# Altium PCB Dashcam.PcbDoc (part 4 of 6) (continued)
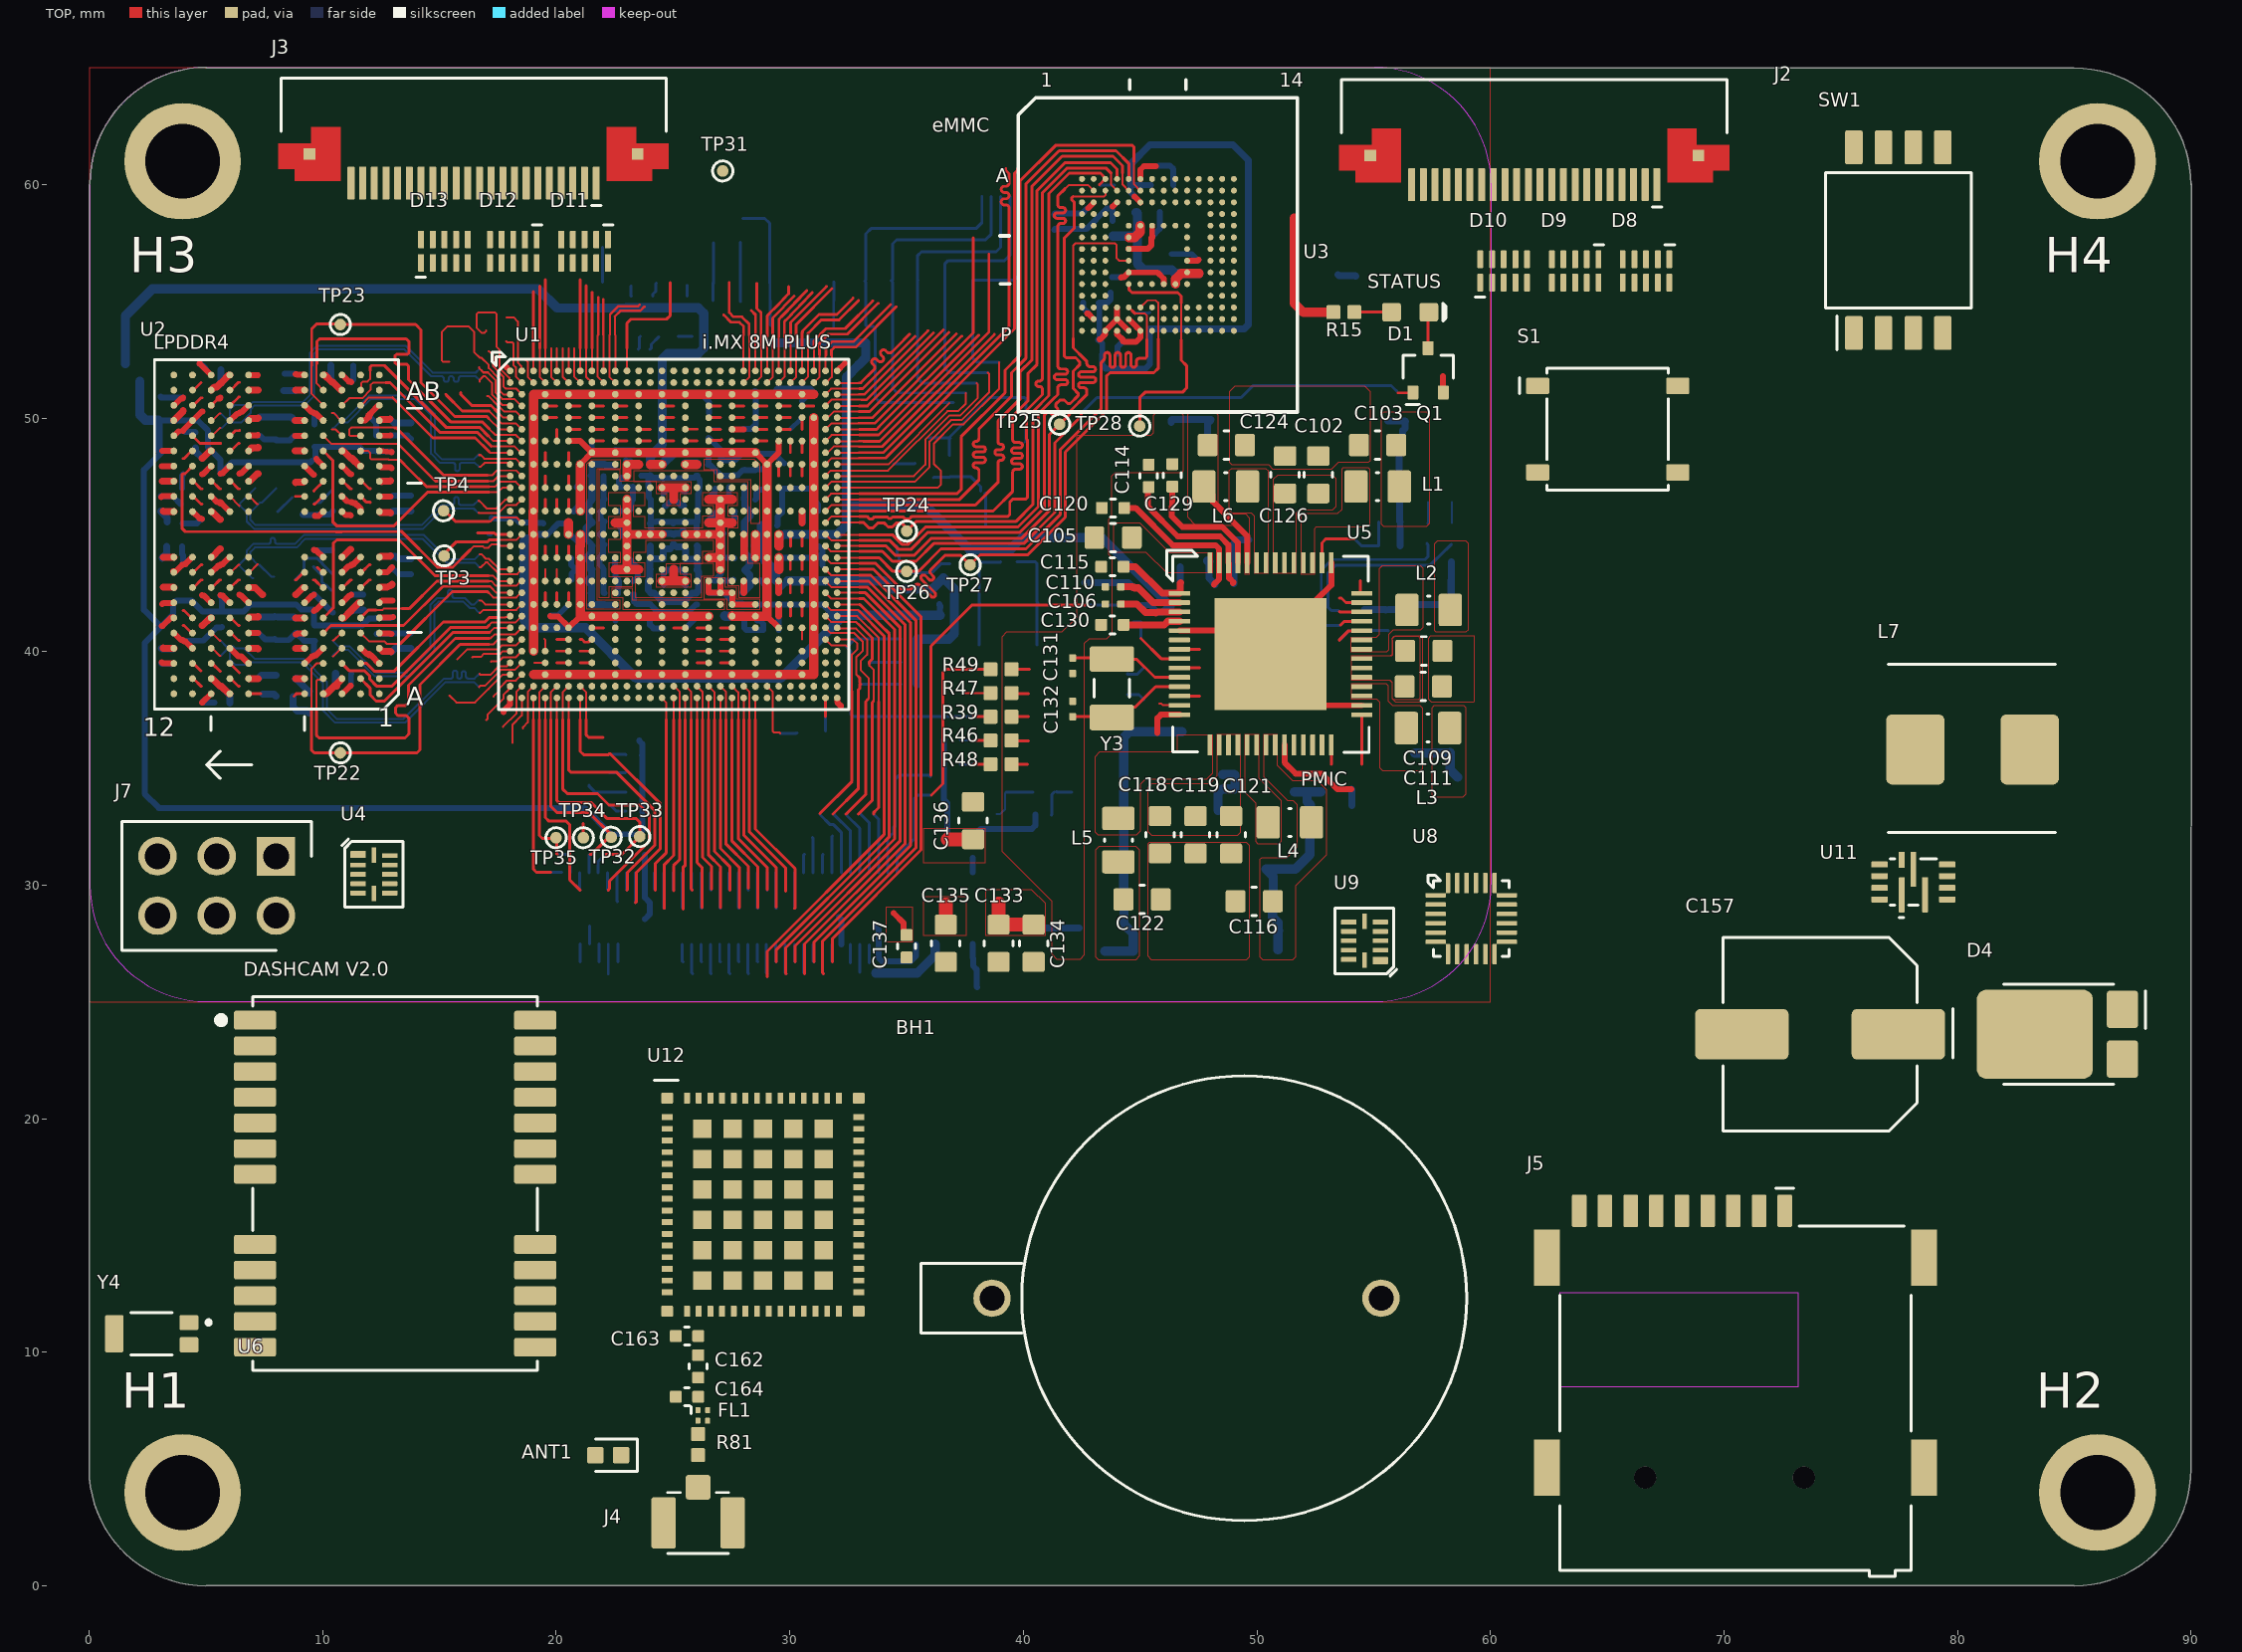
[diagram p0: TOP view]
## Nets (pads, with @x,y where several pads share a name; then routed paths per layer and width w, separated by ;. In a path a pad name is that pad's centre, name@x,y a point inside that pad or via, vN(x,y) a via of type N, cw(c..) or ccw(c..) an arc to the next point about the centre after c; other vN are vias at no path point) (continued)
SAI1_MCLK: U1.AE12
SAI1_RXC: U1.AH8
SAI1_RXD0: U1.AC10
SAI1_RXD1: U1.AF10
SAI1_RXD2: U1.AH9
SAI1_RXD3: U1.AJ8
SAI1_RXD4: U1.AD10
SAI1_RXD5: U1.AE10
SAI1_RXD6: U1.AH10
SAI1_RXD7: U1.AH12
SAI1_RXFS: U1.AJ9
SAI1_TXC: U1.AJ12
SAI1_TXD0: U1.AJ11
SAI1_TXD1: U1.AJ10
SAI1_TXD2: U1.AH11
SAI1_TXD3: U1.AD12
SAI1_TXD4: U1.AH13
SAI1_TXD5: U1.AH14
SAI1_TXD6: U1.AC12
SAI1_TXD7: U1.AJ13
SAI1_TXFS: U1.AF12
SAI2_MCLK: U1.AJ15 | length 10.7
  TOP w0.085: 25.028,37.09 U1.AJ15@25.028,38.025
  TOP w0.127: 24.615,29.012 24.615,30.867 25.028,31.279 25.028,37.09
  BOTTOM w0.127: 24.6,30.54 24.6,29.027 24.615,29.012
SAI2_RXC: U1.AJ16 | length 9.1
  TOP w0.085: 25.528,37.09 U1.AJ16@25.528,38.025
  TOP w0.127: 25.428,28.987 25.428,30.765 25.528,30.865 25.528,37.09
SAI2_RXD: U1.AJ14 | length 9.3
  TOP w0.085: U1.AJ14@24.528,38.025 24.528,37.995 24.717,37.807 24.717,37.09
  TOP w0.127: 24.231,29.8 24.234,29.803 24.234,30.917 24.717,31.4 24.717,37.09
  BOTTOM w0.127: 24.2,30.54 24.2,29.831 24.231,29.8
SAI2_RXFS: U1.AH17 | length 8.9
  TOP w0.085: U1.AH17@26.028,38.525 26.266,38.287 26.266,37.09
  TOP w0.127: 26.266,37.09 26.266,31.197 26.647,30.816 26.647,29.832
SAI2_TXC: U1.AH15 | length 9
  TOP w0.085: U1.AH15@25.02,38.55 25.275,38.295 25.275,37.09
  TOP w0.127: 25.021,29.774 25.021,30.841 25.275,31.095 25.275,37.09
SAI2_TXD: U1.AH16 | length 8.8
  TOP w0.085: U1.AH16@25.528,38.525 25.779,38.274 25.779,37.09
  TOP w0.127: 25.779,37.09 25.779,29.848 25.827,29.8
SAI2_TXFS: U1.AJ17 | length 9.1
  TOP w0.085: 26.028,37.09 U1.AJ17@26.028,38.025
  TOP w0.127: 26.028,37.09 26.028,30.978 26.241,30.765 26.241,29.038
SAI3_MCLK: U1.AJ20 | length 11
  TOP w0.085: 27.528,37.09 U1.AJ20@27.528,38.025
  TOP w0.127: 27.528,37.09 27.528,31.891 28.628,30.79 28.628,29.038
  BOTTOM w0.127: 28.6,30.54 28.6,29.04 28.628,29.012
SAI3_RXC: U1.AJ18 | length 9.2
  TOP w0.085: 26.528,37.09 U1.AJ18@26.528,38.025
  TOP w0.127: 26.528,37.09 26.528,31.291 27.028,30.79 27.028,29.038
SAI3_RXD: U1.AF18 | length 14.6
  TOP w0.12: 26.028,39.525 U1.AF18@26.528,39.525
  L3_IN1 w0.085: 25.834,26.218 25.834,27.082 25.021,27.895 25.021,29.216 25.428,29.622 25.428,30.797 26.028,31.397 26.028,37.09 26.028,39.525
SAI3_RXFS: U1.AJ19 | length 9.3
  TOP w0.085: 27.028,37.09 U1.AJ19@27.028,38.025
  TOP w0.127: 27.028,37.09 27.028,31.578 27.841,30.765 27.841,29.038
SAI3_TXC: U1.AH19 | length 9.2
  TOP w0.085: U1.AH19@27.028,38.525 27.257,38.296 27.257,37.09
  TOP w0.127: 27.257,37.09 27.257,31.781 28.222,30.816 28.222,29.868
SAI3_TXD: U1.AH18 | length 9.1
  TOP w0.085: U1.AH18@26.528,38.525 26.774,38.279 26.774,37.09
  TOP w0.127: 26.774,37.09 26.774,31.451 27.427,30.797 27.427,29.8
SAI3_TXFS: U1.AC16 | length 17.2
  TOP w0.12: 25.028,41.025 U1.AC16@25.528,41.025
  L3_IN1 w0.085: 25.027,41.025 25.48,41.025 25.707,40.798 25.707,37.09 25.707,31.4 24.615,30.308 24.615,29.622 24.158,29.165 24.158,26.77 24.208,26.72 25.427,26.72
SAI5_MCLK: U1.AF14
SAI5_RXC: U1.AD14
SAI5_RXD0: U1.AE16
SAI5_RXD1: U1.AD16
SAI5_RXD2: U1.AF16
SAI5_RXD3: U1.AE14
SAI5_RXFS: U1.AC14
SCL_1V8: U8.23
SCL_3V3: 
SD1_CLK: U1.W28 | length 22.2
  TOP w0.085: U1.W28@31.528,43.025 31.777,42.776 32.972,42.776
  TOP w0.127: 30.635,26.219 30.635,27.486 34.942,31.793 34.942,41.146 33.312,42.776 32.972,42.776
  BOTTOM w0.127: 30.6,27.46 30.6,26.253 30.634,26.218
SD1_CMD: U1.W29 | length 20.1
  TOP w0.085: U1.W29@32.028,43.025 32.972,43.025
  TOP w0.127: 31.027,26.72 31.027,27.558 35.169,31.699 35.169,41.242 33.386,43.025 32.972,43.025
SD1_DATA0: U1.Y29 | length 20.2
  TOP w0.085: U1.Y29@32.028,42.525 32.972,42.525
  TOP w0.127: 30.227,26.72 30.227,27.4 34.715,31.888 34.715,41.052 33.242,42.525 32.972,42.525
  BOTTOM w0.127: 30.2,27.46 30.2,26.747 30.227,26.72
SD1_DATA1: U1.Y28 | length 21.5
  TOP w0.085: U1.Y28@31.528,42.525 31.777,42.276 32.972,42.276
  TOP w0.127: 29.834,26.218 29.822,26.231 29.822,27.316 34.488,31.982 34.488,40.958 33.17,42.276 32.972,42.276
  BOTTOM w0.127: 29.8,27.46 29.8,26.253 29.834,26.218
SD1_DATA2: U1.V29 | length 20.8
  TOP w0.085: U1.V29@32.028,43.525 32.972,43.525
  TOP w0.127: 31.827,26.72 31.827,27.716 35.623,31.511 35.623,41.499 33.597,43.525 32.972,43.525
SD1_DATA3: U1.V28 | length 21.6
  TOP w0.085: U1.V28@31.528,43.525 31.777,43.276 32.972,43.276
  TOP w0.127: 31.434,26.218 31.397,26.256 31.397,27.606 35.396,31.605 35.396,41.345 33.466,43.276 32.972,43.276
SD1_DATA4: U1.U26 | length 18.5
  TOP w0.12: 30.528,43.525 U1.U26@30.528,44.025
  L3_IN1 w0.085: 30.528,43.525 30.538,43.515 34.039,43.515 35.181,42.373 35.181,37.906 30.947,33.671 30.947,32.839 31.191,32.595 31.699,32.595 31.826,32.468 31.826,32.163 31.852,32.137 ; 31.829,31.945 31.829,32.118 31.828,32.137
SD1_DATA5: U1.AA29 | length 19.6
  TOP w0.085: U1.AA29@32.028,42.025 32.946,42.025 32.972,42.025
  TOP w0.127: 29.427,26.72 29.427,27.242 33.896,31.71 34.261,32.076 34.261,40.769 33.896,41.135 33.005,42.025 32.972,42.025
  BOTTOM w0.127: 29.4,27.46 29.4,26.747 29.427,26.72
SD1_DATA6: U1.AA28 | length 21
  TOP w0.085: U1.AA28@31.528,42.025 31.777,41.776 32.934,41.776 32.972,41.738
  TOP w0.127: 29.035,26.092 29.035,27.17 34.034,32.17 34.034,40.675 32.972,41.738
  BOTTOM w0.127: 29,27.46 29,26.253 29.034,26.218
SD1_DATA7: U1.U25 | length 19
  TOP w0.12: 30.028,43.525 U1.U25@30.028,44.025
  L3_IN1 w0.085: 30.046,43.502 30.028,43.52 30.025,43.517 30.025,43.262 30.101,43.186 33.902,43.186 34.852,42.236 34.852,37.881 30.709,33.738 30.709,32.798 31.428,32.078 31.428,31.33
SD1_RESET_B: U1.W25 | length 17.9
  TOP w0.12: 30.028,42.525 U1.W25@30.028,43.025
  L3_IN1 w0.085: 30.025,42.527 30.048,42.503 30.048,42.248 30.101,42.195 33.492,42.195 33.861,41.826 33.861,37.576 30.048,33.763 30.048,31.91 30.628,31.33
  BOTTOM w0.127: 30.6,30.54 30.6,31.302 30.628,31.33
SD1_STROBE: U1.W26 | length 16.1
  TOP w0.12: 30.528,42.525 U1.W26@30.528,43.025
  L3_IN1 w0.085: 30.528,42.525 33.629,42.525 34.191,41.962 34.191,37.55 30.353,33.712 30.353,32.665 30.964,32.054
SD2_CLK: U1.AB29 | length 9.8
  TOP w0.085: U1.AB29@32.028,41.525 32.884,41.525 33.807,40.602 33.807,37.875
  TOP w0.127: 33.604,33.052 33.604,33.127 33.717,33.24 ; 33.717,33.241 33.807,33.331 33.807,37.875
SD2_CMD: R23.2 U1.AB28 | length 11.7
  TOP w0.085: U1.AB28@31.528,41.525 31.768,41.285 32.828,41.285 32.946,41.166 ; 33.41,39.491 33.41,39.406 33.601,39.215 33.601,37.899 33.58,37.878
  TOP w0.127: 32.944,33.052 33.528,33.636 33.528,37.826 33.58,37.878 ; 32.946,41.166 32.951,41.166 33.528,40.59 33.528,39.685 33.41,39.567 33.41,39.491
  BOTTOM w0.127: 33.41,39.491 33.462,39.543 34.75,39.543 R23.2@34.764,39.557
SD2_DATA0: R22.2 U1.AC28 | length 11.6
  TOP w0.085: U1.AC28@31.528,41.025 31.751,40.802 32.763,40.802 33.122,40.443 33.122,40.037 32.849,39.765 32.849,39.028 32.946,38.931
  TOP w0.127: 31.852,33.052 32.944,34.144 32.944,38.375 32.992,38.423 32.992,38.561 33.045,38.614 32.992,38.668 32.992,38.885 32.946,38.931
  BOTTOM w0.127: 33.045,38.614 33.047,38.616 34.762,38.616 R22.2@34.764,38.618
SD2_DATA1: U1.AC29 | length 9.6
  TOP w0.085: U1.AC29@32.028,41.025 32.066,40.987 32.839,40.987 33.307,40.52 33.307,39.876 33.034,39.604 33.034,39.21 33.391,38.853 33.391,38.006 33.341,37.956 33.338,37.956
  TOP w0.127: 32.41,33.052 33.249,33.89 33.249,37.867 33.338,37.956
SD2_DATA2: U1.AA26 | length 19.5
  TOP w0.127: 30.528,41.525 U1.AA26@30.528,42.025
  L3_IN1 w0.085: 30.528,41.525 31.557,41.525 31.801,41.281 31.801,38.005 30.963,37.167 30.963,35.795 29.446,34.278 29.446,31.902 30.759,30.588 31.445,30.588 32.283,29.75 32.283,28.454 33.388,27.35 33.388,26.676
SD2_DATA3: U1.AA25 | length 20
  TOP w0.127: 30.028,41.525 U1.AA25@30.028,42.025
  L3_IN1 w0.085: 30.028,41.525 30.028,41.075 30.078,41.025 31.278,41.025 31.528,40.775 31.528,38.062 30.734,37.268 30.734,35.846 29.261,34.373 29.261,31.807 30.709,30.359 31.369,30.359 32.055,29.674 32.055,28.302 32.995,27.362 32.995,26.275 33,26.27
SD2_nCD: J5.P9
SD2_RESET_B: R24.2 | length 10.7
  BOTTOM w0.127: R24.2@34.755,40.544 32.778,40.544 32.474,40.24 32.436,40.24 32.436,40.204 32.537,40.102 32.54,40.1 32.614,40.026 32.614,37.319 32.716,37.217 37.848,37.217
SD2_VSEL: U1.E6 U5.29 | length 82.8
  TOP w0.12: U1.E6@20.528,50.025 21.028,50.025
  TOP w0.127: 54.485,35.185 54.488,35.187 U5.29@54.488,37.306
  L2_GND w0.085: 12.677,59.492 12.677,60.766 12.878,60.966 20.853,60.966 24.357,57.463 34.271,57.463 35.409,56.324 35.409,49.713 38.608,46.514 38.608,43.39 38.811,43.186 46.304,43.186 46.354,43.137 46.431,35.973 46.456,35.948 46.584,35.82 54.28,35.82 54.483,35.617 54.483,35.262 54.534,35.211
  L3_IN1 w0.085: 12.677,59.492 12.677,58.349 13.472,57.555 13.472,56.292 14.462,55.302 20.126,55.302 20.528,54.9 20.528,50.525 21.028,50.025
SD2_WP: U1.AC26 | length 16.8
  TOP w0.085: 30.528,40.525 U1.AC26@30.528,41.025
  L3_IN1 w0.085: 30.528,40.525 30.528,35.952 29.058,34.481 29.058,31.706 30.592,30.172 31.277,30.172 31.801,29.648 31.801,28.175 32.588,27.388 32.588,26.676
SD3_CLK: TP27.1 U1.U28 U3.M6 | length 27.7
  TOP w0.085: U1.U28@31.528,44.025 31.758,43.795 32.972,43.795 ; U3.M6@45.014,54.743 45.319,55.048 45.669,55.048 45.771,54.947 45.771,53.397
  TOP w0.127: 32.972,43.795 33.657,43.795 34.774,42.678 34.969,42.678 35.204,42.678 35.382,42.856 cw(c35.472,42.766) 35.561,42.856 36.051,42.367 ccw(c36.131,42.447) 36.211,42.367 ccw(c36.131,42.447) 36.211,42.527 35.644,43.094 cw(c35.725,43.174) 35.644,43.254 cw(c35.725,43.174) 35.805,43.254 35.971,43.088 ccw(c36.051,43.168) 36.132,43.088 ccw(c36.051,43.168) 36.132,43.249 36.043,43.337 cw(c36.133,43.427) 36.043,43.517 36.651,44.125 36.932,44.125 37.315,44.125 TP27.1@37.721,43.719 38.153,44.151 40.192,44.151 41.802,45.761 41.802,48.549 43.559,50.306 43.559,51.795 43.713,51.949 45.593,51.949 45.771,52.127 45.771,53.397
SD3_CMD: R34.1 TP26.1 U1.U29 U3.M5 | length 26.6
  TOP w0.085: U1.U29@32.028,44.025 32.972,44.025 ; 44.784,54.493 45.188,54.493 45.293,54.389 45.293,53.372
  TOP w0.127: 32.972,44.025 33.834,44.025 34.419,43.44 TP26.1@35.004,43.44 35.012,43.448 35.517,43.448 36.475,44.406 40.115,44.406 41.575,45.867 41.575,48.643 43.332,50.4 43.332,52.381 43.357,52.406 43.421,52.47 ccw(c43.284,52.607) 43.478,52.607 43.478,52.7 cw(c43.591,52.7) 43.705,52.7 43.705,52.29 ccw(c43.818,52.29) 43.932,52.29 43.932,52.7 cw(c44.045,52.7) 44.159,52.7 44.159,52.29 ccw(c44.272,52.29) 44.386,52.29 44.386,52.7 cw(c44.499,52.7) 44.613,52.7 44.613,52.29 ccw(c44.726,52.29) 44.84,52.29 44.84,52.432 cw(c44.967,52.432) 44.967,52.559 45.218,52.559 45.288,52.629 45.293,52.633 45.293,53.372 ; U3.M5@44.526,54.741 44.774,54.493 44.784,54.493
  BOTTOM w0.127: 44.784,54.493 44.804,54.514 45.395,54.514 R34.1@45.415,54.535
SD3_DATA0: R33.1 TP24.1 U1.P29 U3.A3 | length 26.6
  TOP w0.085: U1.P29@32.028,45.525 32.972,45.525
  TOP w0.127: 32.972,45.525 33.171,45.525 33.401,45.295 33.553,45.295 33.782,45.523 34.036,45.523 34.214,45.345 34.392,45.345 34.569,45.523 34.773,45.523 TP24.1@34.925,45.371 ; TP24.1@35.004,45.167 35.408,45.571 39.672,45.571 40.414,46.313 40.414,50.259 40.44,50.285 40.44,50.311 41.097,50.968 41.097,59.613 41.971,60.487 43.305,60.487 43.451,60.341 U3.A3@43.511,60.281 ; 43.256,60.001 43.264,60.001 43.506,60.243 U3.A3@43.514,60.243
  BOTTOM w0.127: 43.282,59.95 43.322,59.99 43.882,59.99 R33.1@43.897,59.976
SD3_DATA1: U1.N29 U3.A4 | length 27.7
  TOP w0.085: U1.N29@32.028,46.025 32.972,46.025
  TOP w0.127: 32.972,46.025 38.703,46.025 39.548,46.869 39.548,47.403 39.548,47.693 cw(c39.675,47.693) 39.675,47.82 39.845,47.82 ccw(c39.845,47.934) 39.845,48.047 39.61,48.047 cw(c39.61,48.161) 39.61,48.274 39.845,48.274 ccw(c39.845,48.388) 39.845,48.501 39.61,48.501 cw(c39.61,48.615) 39.61,48.728 39.845,48.728 ccw(c39.845,48.842) 39.845,48.955 39.675,48.955 cw(c39.675,49.082) 39.548,49.082 39.548,49.308 39.548,50.095 40.208,50.756 40.208,51.924 40.588,52.303 40.588,59.746 41.783,60.941 43.739,60.941 44.014,60.666 44.014,60.285 U3.A4@44.018,60.281
SD3_DATA2: U1.M29 U3.A5 | length 27.8
  TOP w0.085: U1.M29@32.028,46.525 32.972,46.525
  TOP w0.127: 32.972,46.525 37.273,46.525 38.1,47.352 38.1,47.682 38.1,47.746 ccw(c37.973,47.746) 37.973,47.873 cw(c37.973,47.986) 37.973,48.1 38.266,48.1 ccw(c38.266,48.213) 38.266,48.327 37.973,48.327 cw(c37.973,48.44) 37.973,48.554 38.266,48.554 ccw(c38.266,48.667) 38.266,48.781 37.973,48.781 cw(c37.973,48.894) 37.973,49.008 ccw(c37.973,49.135) 38.1,49.135 38.1,49.333 38.1,49.536 39.497,50.933 39.497,51.949 40.107,52.559 40.107,60.023 41.533,61.449 43.967,61.449 44.514,60.902 U3.A5@44.514,60.243
SD3_DATA3: U1.R29 U3.B2 | length 27.7
  TOP w0.085: U1.R29@32.028,45.025 32.043,45.01 32.972,45.01 ; 41.783,59.823 41.935,59.976 42.781,59.976 U3.B2@43.014,59.743
  TOP w0.127: 32.972,45.01 34.398,45.01 34.8,44.608 35.08,44.608 35.816,45.344 39.768,45.344 40.642,46.218 40.642,50.167 40.667,50.191 40.667,50.215 41.335,50.883 41.351,50.883 41.478,51.01 41.478,51.3 cw(c41.605,51.3) 41.605,51.427 41.783,51.427 ccw(c41.783,51.541) 41.783,51.654 41.438,51.654 cw(c41.438,51.768) 41.438,51.881 41.783,51.881 ccw(c41.783,51.995) 41.783,52.108 41.605,52.108 cw(c41.605,52.235) 41.478,52.235 41.478,52.432 41.478,57.918 41.478,58.209 cw(c41.605,58.209) 41.605,58.336 41.697,58.336 ccw(c41.697,58.449) 41.697,58.563 41.438,58.563 cw(c41.438,58.676) 41.438,58.79 41.697,58.79 ccw(c41.697,58.903) 41.697,59.017 41.605,59.017 cw(c41.605,59.144) 41.478,59.144 41.478,59.519 41.504,59.544 41.783,59.823
SD3_DATA4: U1.R28 U3.B3 | length 27.8
  TOP w0.085: U1.R28@31.528,45.025 31.791,44.762 32.972,44.762 ; 42.128,59.496 43.464,59.496 43.514,59.545 U3.B3@43.514,59.743
  TOP w0.127: 32.972,44.762 34.291,44.762 34.673,44.379 35.181,44.379 35.918,45.116 39.861,45.116 40.894,46.149 40.894,50.121 41.021,50.248 41.148,50.248 41.25,50.146 41.404,50.146 41.478,50.22 41.478,50.402 41.402,50.478 41.402,50.612 41.571,50.781 41.758,50.781 41.908,50.63 42.013,50.63 42.345,50.962 42.345,51.067 42.139,51.274 42.139,52.01 42.424,52.296 42.424,52.401 42.24,52.584 41.834,52.584 41.758,52.661 41.758,57.715 42.065,58.022 42.189,58.147 42.189,59.239 42.083,59.346 42.083,59.451 42.128,59.496
SD3_DATA5: U1.P28 U3.B4 | length 27.7
  TOP w0.085: U1.P28@31.528,45.525 31.801,45.798 32.972,45.798 ; 43.764,60.458 43.764,59.993 U3.B4@44.014,59.743
  TOP w0.127: 32.972,45.798 33.304,45.798 33.425,45.677 33.53,45.677 33.63,45.777 34.163,45.777 34.237,45.703 34.343,45.703 34.417,45.777 34.849,45.777 34.95,45.676 35.103,45.676 35.225,45.798 39.346,45.798 39.421,45.872 39.421,46.412 39.548,46.539 40.107,46.539 40.185,46.618 40.185,49.051 40.132,49.105 40.132,50.324 40.815,51.006 40.815,51.169 40.815,51.233 ccw(c40.688,51.233) 40.688,51.36 40.65,51.36 cw(c40.65,51.473) 40.65,51.587 40.688,51.587 ccw(c40.688,51.714) 40.815,51.714 40.815,51.925 40.815,59.652 41.877,60.714 43.534,60.714 43.764,60.484
SD3_DATA6: U1.N28 U3.B5 | length 27.8
  TOP w0.085: U1.N28@31.528,46.025 31.787,46.284 32.972,46.284 ; 44.247,60.484 44.247,60.011 U3.B5@44.514,59.743
  TOP w0.127: 32.972,46.284 37.947,46.284 38.913,47.25 38.913,47.784 38.913,48.074 cw(c39.04,48.074) 39.04,48.201 39.053,48.201 ccw(c39.053,48.315) 39.053,48.428 38.898,48.428 cw(c38.898,48.542) 38.898,48.655 39.04,48.655 ccw(c39.04,48.769) 39.04,48.882 cw(c39.04,49.009) 38.913,49.009 38.913,49.333 38.913,49.867 39.853,50.806 39.853,51.975 40.361,52.483 40.361,59.918 41.663,61.22 43.84,61.22 44.247,60.814 44.247,60.484
SD3_DATA7: U1.M28 U3.B6 | length 27.8
  TOP w0.085: U1.M28@31.528,46.525 31.767,46.764 32.972,46.764 ; 44.744,60.991 44.744,60.013 U3.B6@45.014,59.743
  TOP w0.127: 32.972,46.764 37.157,46.764 37.338,46.946 37.338,49.206 39.218,51.086 39.218,52.051 39.853,52.686 39.853,60.154 41.377,61.678 44.67,61.678 44.744,61.603 44.744,60.991
SD3_STROBE: TP25.1 U1.T29 U3.H5 | length 27.8
  TOP w0.085: U1.T29@32.028,44.525 32.966,44.525 32.972,44.53 ; 42.139,53.423 42.139,57.385 42.24,57.487 43.917,57.487 43.993,57.41 43.993,56.852 44.069,56.775 44.101,56.743 U3.H5@44.514,56.743
  TOP w0.127: 32.972,44.53 34.116,44.53 34.521,44.125 35.334,44.125 36.07,44.862 39.928,44.862 41.121,46.055 41.121,49.306 TP25.1@41.554,49.74 41.986,50.171 41.986,50.282 42.723,51.019 42.723,51.111 42.723,51.175 ccw(c42.596,51.175) 42.596,51.302 42.479,51.302 cw(c42.479,51.415) 42.479,51.529 42.992,51.529 ccw(c42.992,51.642) 42.992,51.756 42.479,51.756 cw(c42.479,51.869) 42.479,51.983 42.976,51.983 ccw(c42.976,52.096) 42.976,52.21 42.85,52.21 cw(c42.85,52.337) 42.723,52.337 42.723,52.432 42.617,52.538 42.139,53.016 42.139,53.423
SDA_1V8: R61.1 U8.24 | length 0.8
  BOTTOM w0.3: 7.276,38.897 7.37,38.991 R61.1@8.012,38.991
SDA_3V3: 
SLASEL1: 
SLASEL1_R: J2.15
SLASEL2: 
SLASEL2_R: J3.15
SLP_CLK_IN: U12.61
SPDIF_EXT_CLK: U1.AC18 | length 16.2
  TOP w0.12: 26.033,41.02 26.036,41.022 26.525,41.022 U1.AC18@26.528,41.025
  L3_IN1 w0.085: 26.033,41.02 26.039,41.025 26.471,41.025 26.723,40.773 26.723,31.362 27.815,30.27 27.815,29.647 27.434,29.266 27.434,28.555 27.028,28.149 27.028,26.67
SPDIF_RX: U1.AD18 | length 15.6
  TOP w0.12: 26.028,40.525 U1.AD18@26.528,40.525
  L3_IN1 w0.085: 26.03,40.513 26.348,40.513 26.527,40.334 26.527,37.09 26.527,31.063 27.028,30.562 27.028,29.641 26.628,29.241 26.628,26.218
SPDIF_TX: U1.AE18 | length 14.4
  TOP w0.12: 26.028,40.025 U1.AE18@26.528,40.025
  L3_IN1 w0.085: 26.04,40.002 26.292,40.002 26.342,39.952 26.342,37.09 26.342,31.375 26.228,31.26 26.228,29.635 25.834,29.241 25.834,27.879 26.228,27.485 26.228,26.726
SYS_nRST: R41.1 TP53.1 | length 20
  TOP w0.127: 36.043,34.703 36.043,40.24 37.795,41.993 42.672,41.993
  BOTTOM w0.127: 34.2,30.54 34.2,32.018 34.442,32.26 TP53.1@34.442,32.493 ; TP53.1@34.519,32.518 34.519,34.55 34.671,34.703 35.966,34.703 36.017,34.652 ; 42.621,41.993 44.079,41.993 R41.1@44.097,42.01
SYS_STATUS: Q1.G U1.T28 | length 30.3
  TOP w0.085: U1.T28@31.528,44.525 31.75,44.303 32.972,44.303
  TOP w0.127: 32.972,44.303 33.962,44.303 34.394,43.871 35.401,43.871 36.163,44.633 40.021,44.633 41.348,45.961 41.348,48.948 42.469,50.069 42.469,50.162 ; 56.06,51.085 56.665,51.085 Q1.G@56.68,51.1
  BOTTOM w0.127: 42.494,50.222 43.155,50.883 49.327,50.883 49.835,51.391 55.755,51.391 55.969,51.176 55.97,51.176 55.982,51.187
UART1_CTS: U1.AE6 | length 13.9
  TOP w0.12: 20.028,40.025 U1.AE6@20.528,40.025
  L3_IN1 w0.085: 20.028,40.025 20.013,40.011 19.764,40.011 19.687,39.934 19.687,37.09 19.687,31.197 20.246,30.638 20.246,28.327 20.323,28.25 21.422,28.25
UART1_RTS: U1.AJ4 | length 9.3
  TOP w0.085: 19.528,37.09 U1.AJ4@19.528,38.025
  TOP w0.127: 19.528,37.09 19.528,32.906 19.687,32.746 20.424,32.746 20.576,32.594 20.576,30.232 21.008,29.8 21.034,29.8
UART1_RXD: U1.AD6 | length 16.3
  TOP w0.12: 20.028,40.525 U1.AD6@20.528,40.525
  L3_IN1 w0.085: 20.028,40.525 19.484,39.981 19.484,37.09 19.484,31.146 19.281,30.943 19.281,26.828 19.389,26.72 21.034,26.72
UART1_TXD: U1.AJ3 | length 8.1
  TOP w0.085: 19.028,37.09 U1.AJ3@19.028,38.025
  TOP w0.127: 19.028,37.09 19.028,30.688 19.154,30.562 19.764,30.562
UART3_CTS: U1.AD20 | length 17.6
  TOP w0.12: 27.028,40.525 U1.AD20@27.528,40.525
  L3_IN1 w0.085: 27.046,40.538 27.364,40.538 27.561,40.341 27.561,31.969 28.892,30.639 29.515,30.639 30.201,29.953 30.201,29.518 29.847,29.165 29.847,28.803 28.222,27.178 28.222,26.157
UART3_RTS: U1.AE20 | length 15.8
  TOP w0.12: 27.028,40.025 U1.AE20@27.528,40.025
  L3_IN1 w0.085: 27.056,40.028 27.308,40.028 27.358,39.978 27.358,31.806 28.806,30.359 29.136,30.359 29.416,30.079 29.416,29.622 29.035,29.241 29.035,28.657 27.815,27.438 27.815,26.726
UART3_RXD: U1.AF20 | length 14.9
  TOP w0.12: 27.028,39.525 U1.AF20@27.528,39.525
  L3_IN1 w0.085: 27.028,39.525 27.028,31.756 28.628,30.155 28.628,29.647 28.222,29.241 28.222,28.733 27.428,27.939 27.428,26.244
UART3_TXD: U1.AC20 | length 18.6
  TOP w0.12: 27.028,41.025 U1.AC20@27.528,41.025
  L3_IN1 w0.085: 27.034,41.05 27.487,41.05 27.765,40.773 27.765,32.162 28.958,30.968 29.49,30.968 30.556,29.902 30.556,28.731 30.051,28.225 29.797,28.225 28.603,27.031 28.603,26.726
  BOTTOM w0.127: 28.6,27.46 28.6,26.747 28.627,26.72
USB1_D_N: U1.E10 | length 13.5
  TOP w0.12: U1.E10@22.528,50.025 23.028,50.025
  L3_IN1 w0.081: 23.028,50.025 23.001,50.052 22.732,50.052 22.685,50.099 22.685,51.521 22.786,51.623 22.786,54.878 22.667,54.998 22.667,56.012 23.673,57.019 23.673,57.588 23.368,57.893 23.008,58.253 23.008,59.706 24.079,60.778 24.079,61.185 23.878,61.386 23.878,61.448
USB1_D_P: U1.D10 | length 13.5
  TOP w0.12: U1.D10@22.528,50.525 23.028,50.525
  L3_IN1 w0.081: 23.028,50.525 23.066,50.563 23.066,51.542 22.994,51.614 22.994,53.248 22.994,53.47 cw(c23.085,53.47) 23.085,53.56 23.216,53.56 ccw(c23.216,53.651) 23.216,53.741 23.085,53.741 cw(c23.085,53.832) 23.085,53.922 23.149,53.922 ccw(c23.149,54.013) 23.149,54.103 23.085,54.103 cw(c23.085,54.194) 22.994,54.194 22.994,54.569 22.994,54.964 22.875,55.084 22.875,55.926 23.881,56.933 23.881,57.674 23.368,58.187 23.216,58.34 23.216,59.62 24.287,60.692 24.287,61.185 24.463,61.36 24.463,61.448
USB1_RX_N: U1.B9 | length 3.8
  TOP w0.085: 21.804,53.571 21.778,53.546 21.778,51.774 U1.B9@22.028,51.525
  TOP w0.102: 21.804,53.571 21.804,55.187
USB1_RX_P: U1.A9 | length 3.1
  TOP w0.085: 22.008,53.575 22.005,53.573 22.028,53.55 U1.A9@22.028,52.025
  TOP w0.102: 22.008,53.575 22.008,55.102
USB1_TX_N: U1.B10 | length 4.5
  TOP w0.085: 22.301,54.44 22.301,53.569 22.278,53.546 22.278,51.774 U1.B10@22.528,51.525
  TOP w0.102: 22.301,54.44 22.66,54.798 23.507,54.798 23.572,54.863
USB1_TX_P: U1.A10 | length 3.8
  TOP w0.085: 22.505,54.355 22.505,53.573 22.528,53.55 U1.A10@22.528,52.025
  TOP w0.102: 22.505,54.355 22.744,54.594 23.591,54.594 23.776,54.779
USB1_VBUS_3V3: TP31.1 U1.A11 | length 5.4
  TOP w0.085: U1.A11@23.028,52.025 23.028,52.99
  TOP w0.127: 23.028,52.99 23.028,54.065 23.201,54.239 24.725,54.239 24.878,54.391 24.878,55.813
USB2_RX_N: U1.B12
USB2_RX_P: U1.A12
USB2_TX_N: U1.B13
USB2_TX_P: U1.A13
USB2_VBUS_3V3: U1.D12
USB_GPS_N: R56.1
USB_GPS_P: 
VBUS_IN: C157.1 D4.K U11.1
VCC_REF: U6.9
VDD_1V8: C1.2 C2.2 C3.2 C4.2 C8.2 C9.2 C10.2 C16.2 C24.2 C71.2 C72.2 C73.2 C74.2 C75.2 C76.2 C96.2 C97.2 C98.2 C99.2 C122.2 C123.2 C136.2 L5.2 R16.1 R17.1 R18.1 R19.1 R20.1 R21.1 R33.2 R34.2 R45.1 TP45.1 U1.AA11 U1.AA14 U1.AA16 U1.AA19 U1.AA24 U1.J11 U1.J16 U1.K11 U1.R22 U1.U22 U1.U24 U1.Y10 U1.Y11 U2.F1 U2.F12 U2.G4 U2.G9 U2.T4 U2.T9 U2.U1 U2.U12 U3.C6 U3.M4 U3.N4 U3.P3 U3.P5 U4.1 U5.14 | length 203.9
  TOP w0.254: U2.F1@12.428,41.45 12.435,41.457 12.882,41.457 13.017,41.488 ; U1.U22@28.527,44.024 U1.U22@28.528,44.025 ; U1.R22@28.527,45.04 28.528,45.039 U1.R22@28.528,45.025 ; 43.256,53.372 43.285,53.372 43.51,53.597 43.51,53.753 43.523,53.753 U3.N4@44.014,54.243 ; U3.M4@44.014,54.743 U3.N4@44.014,54.243 ; U3.P5@44.475,53.778 44.475,53.782 U3.N4@44.014,54.243 ; 44.759,59.498 U3.C6@45.014,59.243 ; 45.748,36.531 45.748,36.582 45.748,37.157 45.897,37.306 U5.14@46.688,37.306
  TOP w0.3: 29.528,41.525 U1.AA24@29.528,42.025
  TOP w0.4: U1.K11@23.028,47.525 U1.J11@23.028,48.025 23.528,48.025 ; U1.J16@25.528,48.025 26.028,48.025 ; U1.U22@28.528,44.025 28.528,44.525 U1.R22@28.528,45.025 ; 29.528,43.525 U1.U24@29.528,44.025
  TOP w0.6: 36.769,31.972 C136.2@37.848,31.972
  L4_POWER w0.254: 23.216,41.942 23.216,41.967 23.038,42.145 23.038,47.847 23.187,47.996 23.499,47.996 23.528,48.025 ; 23.52,48.038 23.522,48.04 23.522,48.348 23.72,48.546 24.257,48.546 24.797,48.005 26.008,48.005 26.028,48.025
  L4_POWER w0.4: 2.17,51.622 2.17,54.701 2.974,55.505 13.109,55.505 13.541,55.936 13.541,57.664 14.226,58.349 18.875,58.349 19.967,59.442 41.656,59.442 43.028,60.814 44.399,60.814 44.758,60.455 44.758,59.497 ; 26.028,42.025 26.029,42.024 26.818,42.024 27.817,41.025 29.028,41.025 29.527,41.524 ; 28.528,44.525 28.529,44.524 ; 29.517,41.56 29.543,41.585 29.543,41.783 29.777,42.017 30.777,42.017 31.011,42.252 31.011,42.773 30.777,43.008 29.763,43.008 29.529,43.242 29.529,43.524 29.528,43.525
  BOTTOM w0.254: C71.2@2.958,49.974 3.038,49.893 4.661,49.893 5.091,49.463 5.091,48.752 5.628,48.216 5.628,47.638 ; 3.034,41.107 2.348,41.793 2.348,47.787 3.11,48.549 ; C74.2@5.625,41.716 4.863,41.716 4.38,42.199 3.741,42.199 3.593,42.05 3.593,41.589 3.11,41.107 2.373,40.37 2.373,33.919 2.983,33.309 21.22,33.309 22.342,32.187 23.53,32.187 23.678,32.336 R19.1@23.678,33.995 R21.1@23.678,34.788 ; 5.628,42.425 5.628,42.384 5.675,42.336 C74.2@5.675,41.716 6.615,41.716 6.92,42.021 8.865,42.021 9.082,41.804 9.601,41.804 9.629,41.776 ; 5.628,47.625 6.106,48.104 9.472,48.104 9.536,48.168 ; 9.628,41.775 9.628,41.168 C75.2@9.638,41.158 ; C75.2@9.638,41.132 11.693,41.132 11.98,41.418 12.261,41.418 C76.2@12.279,41.437 12.925,41.437 12.976,41.488 13.017,41.488 ; C72.2@9.638,48.78 9.681,48.737 9.681,48.352 9.727,48.306 9.727,48.265 ; C72.2@9.681,48.78 11.566,48.78 11.746,48.6 C73.2@12.279,48.6 12.297,48.582 12.925,48.582 12.943,48.564 ; C8.2@22.987,48.19 23.013,48.165 23.165,48.165 23.275,48.054 23.499,48.054 23.528,48.025 ; C2.2@23.278,42.453 23.328,42.453 23.328,42.148 23.444,42.033 24.02,42.033 24.028,42.025 24.362,41.691 24.547,41.691 C3.2@24.573,41.665 C4.2@25.538,41.665 ; 23.557,36.205 23.552,36.199 23.552,36.181 23.678,36.055 R20.1@23.678,35.595 ; R20.1@23.659,35.57 23.678,35.55 R21.1@23.678,34.808 ; C4.2@25.589,41.666 25.627,41.666 25.987,42.025 26.028,42.025 ; C24.2@29.526,40.929 C24.2@29.526,40.929 29.527,41.538 ; R17.1@36.607,35.185 36.607,33.66 36.756,33.511 36.756,31.984 ; R17.1@36.607,35.211 R16.1@36.607,36.227 ; 36.782,31.984 37.747,31.984 38.179,32.416 40.372,32.416 40.521,32.565 R45.1@40.521,33.026 ; 43.205,53.346 43.24,53.346 43.383,53.203 C99.2@43.383,52.762 ; C98.2@43.231,54.921 C98.2@43.256,54.921 ; 43.256,53.372 43.256,54.896 C98.2@43.256,54.921 ; C98.2@43.256,54.947 43.59,54.947 43.739,55.095 C97.2@43.739,55.379 ; C99.2@43.383,52.737 43.383,52.276 43.532,52.127 45.237,52.127 45.415,52.305 R34.2@45.415,53.835 ; R33.2@44.597,59.976 44.597,59.674 44.745,59.526 44.745,59.484 ; R33.2@44.679,59.976 C96.2@45.469,59.976
  BOTTOM w0.3: R33.2@44.597,59.976 44.597,60.885 45.415,61.703 48.971,61.703 49.632,61.043 49.632,54.005 49.456,53.829 R34.2@45.44,53.829
  BOTTOM w0.4: 2.17,51.572 2.17,50.155 2.405,49.921 2.958,49.921 2.958,48.703 ; C1.2@25.536,48.041 26.021,48.041 ; 28.528,44.525 28.528,44.523 28.916,44.135 C10.2@28.916,43.952 ; 28.688,44.612 28.79,44.714 C9.2@28.79,45.399 ; C10.2@28.942,44.028 28.942,43.901 29.374,43.469 ; C16.2@29.399,43.063 29.399,43.393 29.501,43.494 ; 43.487,27.184 44.63,27.184 44.656,27.209 ; C123.2@44.3,29.52 44.3,36.328 44.554,36.582 TP45.1@46.789,36.582 ; C123.2@44.313,29.393 44.313,28.319 44.706,27.926 44.706,27.184
VDD_1V8_3: R61.2 U8.8 U8.13 U8.22 U9.1 U9.12 | length 0.6
  BOTTOM w0.3: 7.428,38.186 7.918,38.186 R61.2@8.012,38.091
VDD_3V3: C18.2 C93.2 C94.2 C95.2 C116.2 C117.2 C127.2 C135.2 L4.2 R15.2 TP43.1 U1.J14 U3.E6 U3.F5 U3.J10 U3.K9 U5.21 U5.22 U12.34 U12.35 | length 181.7
  TOP w0.4: 24.028,48.025 U1.J14@24.528,48.025 ; U3.F5@44.526,57.741 44.772,57.741 45.009,57.978 45.009,58.238 U3.E6@45.014,58.243 ; U3.K9@46.514,55.743 46.514,55.957 46.748,56.191 U3.J10@47.066,56.191 ; U3.J10@47.062,56.195 47.527,56.195 ; 51.599,58.557 51.599,54.924 51.984,54.539 R15.2@53.273,54.539
  TOP w0.6: C135.2@36.68,28.314 36.68,29.165
  L4_POWER w0.4: 33.719,26.245 33.719,26.246 34.011,26.537 34.011,27.254 33.776,27.488 10.924,27.488 10.34,28.073 10.34,32.873 9.832,33.381 2.517,33.381 1.552,34.346 1.552,52.33 1.552,55.835 2.061,56.344 8.69,56.344 9.502,57.156 9.502,61.553 10.084,62.135 45.974,62.135 46.3,61.809 46.3,59.3 ; 44.78,57.78 46.3,59.3 ; 51.599,58.557 50.855,59.3 46.3,59.3
  BOTTOM w0.3: TP43.1@52.276,32.645 TP43.1@52.276,32.695
  BOTTOM w0.4: 1.552,52.33 1.552,54.382 2.7,55.531 19.228,55.531 20.041,54.718 23.089,54.718 ; 23.007,54.723 26.08,54.723 26.314,54.489 26.314,53 26.08,52.765 24.773,52.765 24.539,52.531 24.539,48.87 24.029,48.361 24.029,48.026 24.028,48.025 ; C94.2@43.84,57.791 44.803,57.791 44.883,57.872 44.885,57.872 ; C93.2@44.831,58.807 44.856,58.807 44.885,58.779 44.885,57.872 ; 47.527,56.195 46.503,56.195 46.355,56.344 45.161,56.344 44.885,56.62 44.885,57.872 ; C117.2@50.701,29.368 50.675,29.343 50.675,28.631 50.903,28.404 50.903,28.074 50.904,28.073 ; C117.2@50.701,29.481 50.701,30.381 C127.2@50.393,30.689 51.641,30.689 52.276,31.324 TP43.1@52.276,32.645 ; 50.904,27.234 50.905,27.236 50.905,28.023 50.929,28.047 ; 51.615,33.991 52.149,33.991 52.15,33.99 52.15,33.583 52.301,33.432 TP43.1@52.301,32.746 ; 52.25,33.991 52.733,33.991